# Altium PCB LIA.PcbDoc
Units mil, origin at the board's own origin, x right, y up, seen from the top; angles counter-clockwise.
Board outline 3740.16 x 2519.69 mil, 2 copper layers (Top Layer, Bottom Layer); 82 components, 87 nets, 316 pads, 125 vias.
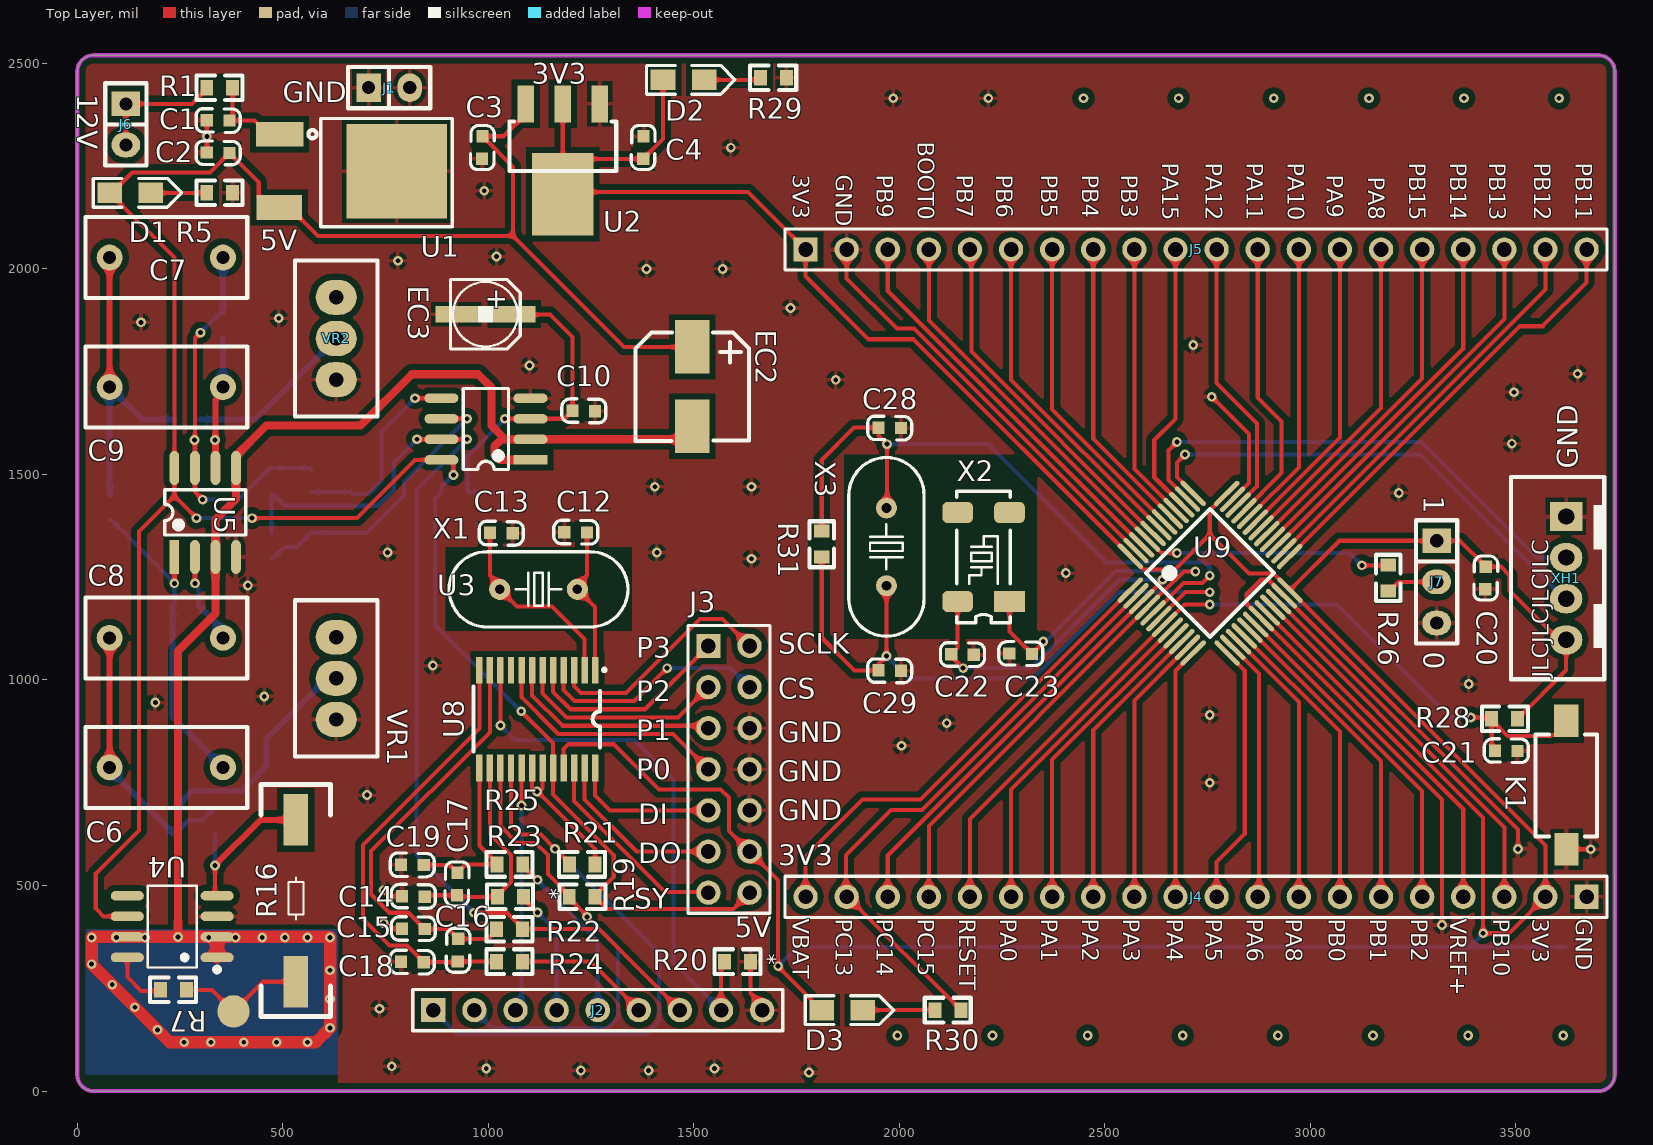
[diagram p0: Top Layer view]
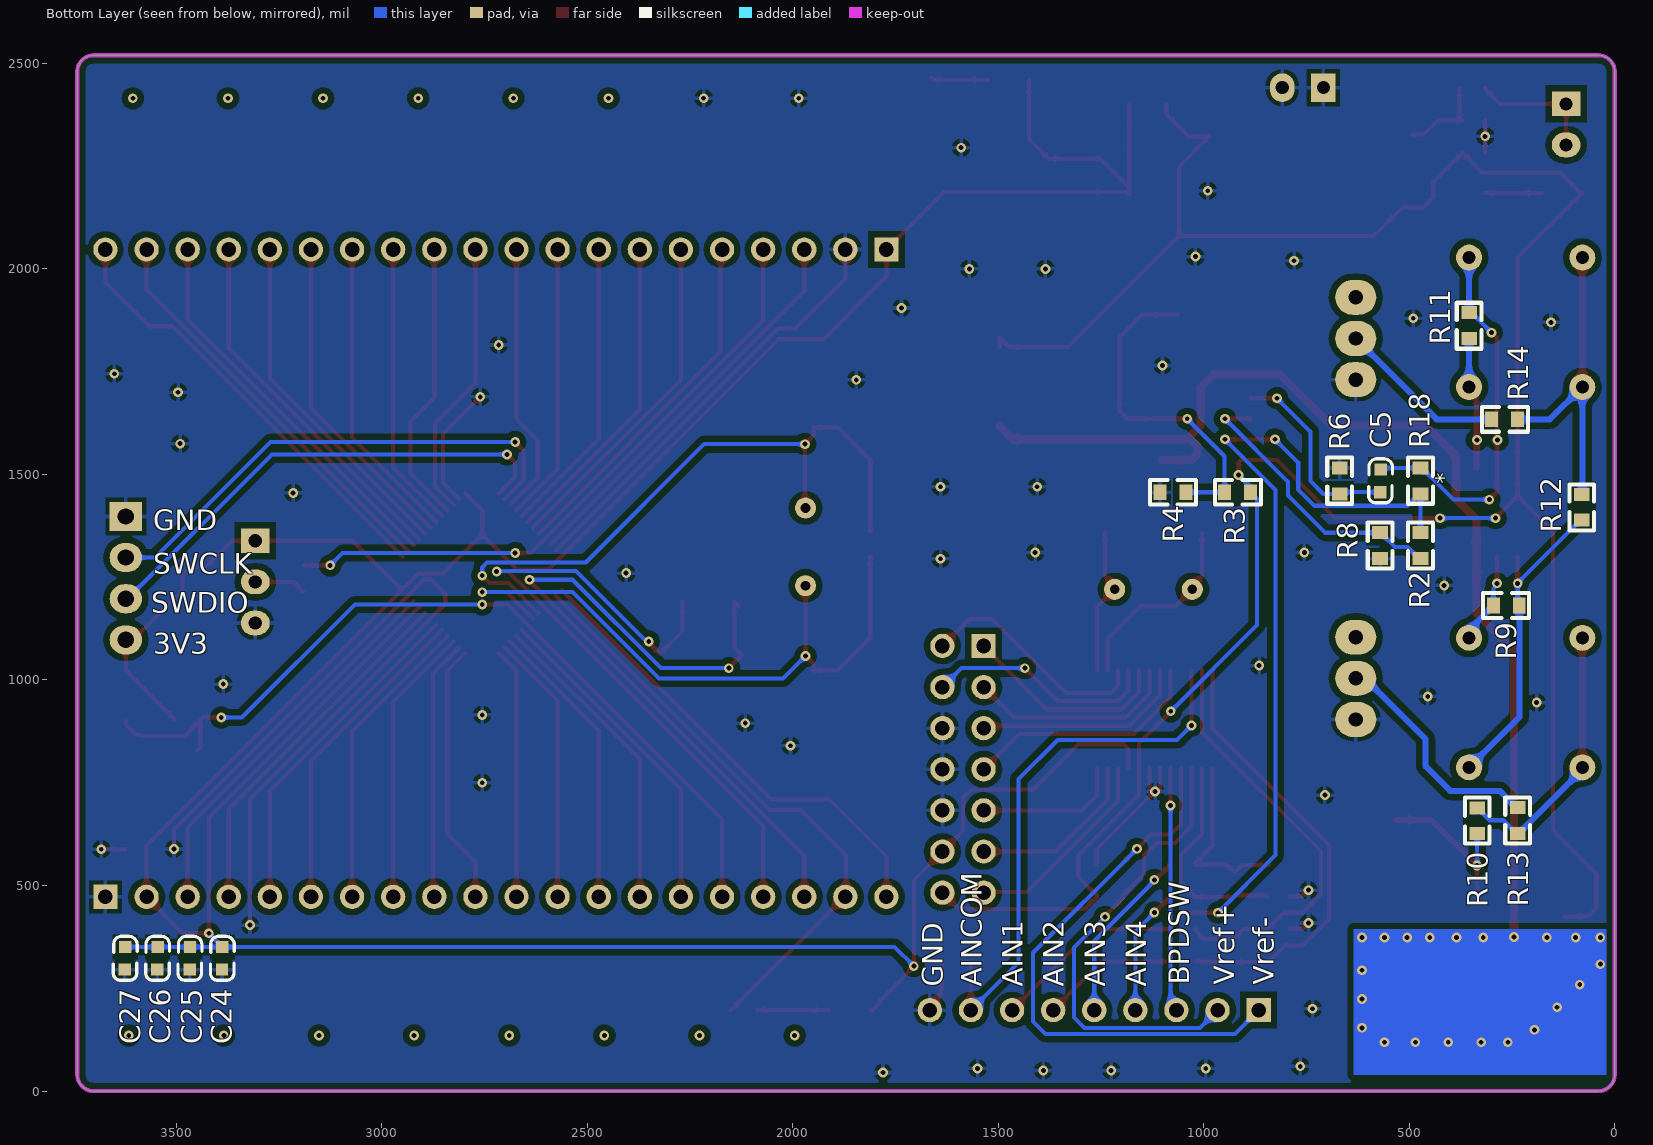
[diagram p1: Bottom Layer view, seen from below]

## Layer stack, top to bottom
Top Solder: solder mask 0.4, Solder Resist, Dk 3.5
Top Layer: signal copper 1.4
Dielectric 1: dielectric 12.6, FR-4, Dk 4.8
Bottom Layer: signal copper 1.4
Bottom Solder: solder mask 0.4, Solder Resist, Dk 3.5

## Board outline
0,39.37 0,2480.31 cw(c39.37,2480.31) 39.37,2519.69 3700.79,2519.69 cw(c3700.79,2480.31) 3740.16,2480.31 3740.16,39.37 cw(c3700.79,39.37) 3700.79,0 39.37,0 cw(c39.37,39.37)

## Design rules (kind name [scope] priority, off if disabled: settings)
Clearance [All] p1: gap=5 ignorepadtopadclearanceinfootprint=TRUE except(3.5: Arc-Arc Arc-Track Track-Track; 15: Arc-Fill Arc-Poly Arc-Region Track-Fill Track-Poly Track-Region SMDPad-Fill SMDPad-Poly SMDPad-Region THPad-Fill THPad-Poly THPad-Region Via-Fill Via-Poly Via-Region Fill-Fill Fill-Poly Fill-Region Poly-Poly Poly-Region Region-Region)
HoleSize [All] p1: absolutevalues=TRUE maxlimit=100 minlimit=11.81 maxpercent=80.000 minpercent=20.000
MinimumSolderMaskSliver [All] p1: minsoldermaskwidth=0
PolygonConnect [All] p1: connectstyle=Relief reliefconductorwidth=10 reliefentries=4 polygonreliefangle="90 Angle" airgapwidth=10
RoutingVias [All] p1: holewidth=39.37 width=78.74 viastyle="Through Hole" minholewidth=11.81 minwidth=19.68 maxholewidth=39.37 maxwidth=78.74
SilkToSilkClearance [All] p1: silktosilkclearance=0
SilkToSolderMaskClearance [IsPad] p1: minsilkscreentomaskgap=0 clearancetoexposedcopper=TRUE
SolderMaskExpansion [All] p1: expansion=4
Width [All] p1: maxlimit=30 minlimit=3.5 preferedwidth=10
26 further rules are at their usual default settings.

## Components (designator, comment, footprint, x,y, rotation, side; value= is the part's Value field where it differs from the comment)
C1 "0.33uF" 0603C 314.96,2362.2 r0 top
C2 "0.1uF" 0603C 314.96,2283.46 r0 top
C3 "10uF" 0603C 984.25,2267.47 r90 top locked
C4 "10uF" 0603C 1377.95,2322.83 r270 top locked
C5 "1uF" 0603C 570.87,1456.69 r90 bottom locked
C6 "1uF" DIP-7 354.33,787.4 r180 top locked
C7 "1uF" DIP-7 78.74,2027.56 r0 top locked
C8 "1uF" DIP-7 78.74,1102.36 r0 top locked
C9 "1uF" DIP-7 354.33,1712.6 r180 top locked
C10 "0.1uF" 0603C 1259.84,1653.54 r180 top
C12 "1uF" 0603C 1240.16,1358.27 r180 top locked
C13 "1uF" 0603C 1003.94,1358.27 r0 top
C14 "0.01uF" 0603C 845.21,472.44 r180 top locked
C15 "0.01uF" 0603C 845.21,393.7 r180 top
C16 "1uF" 0603C 925.2,314.96 r90 top locked
C17 "0.01uF" 0603C 925.2,531.5 r270 top locked
C18 "0.01uF" 0603C 787.4,314.96 r0 top
C19 "0.01uF" 0603C 787.4,551.18 r0 top
C20 "0.1uF" 0603C 3425.2,1220.47 r90 top
C21 "1uF" 0603C 3503.94,826.77 r180 top
C22 "22pF" 0603C 2125.98,1062.99 r0 top
C23 "22pF" 0603C 2322.83,1062.99 r180 top
C24 "1uF" 0603C 3388.54,295.28 r90 bottom locked
C25 "1uF" 0603C 3467.28,295.28 r90 bottom locked
C26 "1uF" 0603C 3546.02,295.28 r90 bottom locked
C27 "1uF" 0603C 3624.76,295.28 r90 bottom locked
C28 "22pF" 0603C 1948.82,1614.17 r0 top locked
C29 "22pF" 0603C 1948.82,1023.62 r0 top locked
D1 "LEDR/0805" LED-0805R 78.74,2185.04 r0 top
D2 "LEDR/0805" LED-0805R 1425,2460 r0 top
D3 "LEDY/0805" LED-0805Y 1811.02,196.85 r0 top locked
EC2 "100uF" SMD-EC6.3X6.3X10 1496.06,1811.02 r270 top
EC3 "1uF" SMD-EC4.0X4.3X5.4 1062.99,1889.76 r180 top locked
J1 "Pin HDR1X2" "Pin HDR1X2/2.54mm-S" 708.66,2440.94 r90 top locked
J2 "Pin HDR1X9" "Pin HDR1X9/2.54mm-S" 866.14,196.85 r0 top locked
J3 "Pin HDR2X7" "Pin HDR2X7/2.54mm-S" 1535.43,1082.68 r270 top
J4 "Pin HDR1X20" "Pin HDR1X20/2.54mm-S" 3671.65,472.44 r180 top locked
J5 "Pin HDR1X20" "Pin HDR1X20/2.54mm-S" 1771.65,2047.24 r0 top locked
J6 "Pin HDR1X2" "Pin HDR1X2/2.54mm-S" 118.11,2401.57 r0 top
J7 "Pin HDR1X3" "Pin HDR1X3/2.54mm-S" 3307.09,1338.58 r0 top
K1 "KEY" SMD-3X6X2.5 3622.05,590.55 r90 top
R1 "30R" 0603R 314.96,2440.94 r0 top locked
R2 "RES" 0603R 472.44,1358.27 r270 bottom locked
R3 "10K" 0603R 885.83,1456.69 r0 bottom locked
R4 "10K" 0603R 1043.31,1456.69 r0 bottom locked
R5 "510R" 0603R 314.96,2185.04 r0 top
R6 "100K" 0603R 669.29,1515.75 r270 bottom locked
R7 "1M" 0603R 202.24,246.22 r0 top locked
R8 "RES" 0603R 570.87,1358.27 r270 bottom locked
R9 "300K" 0603R 295.28,1181.1 r180 bottom
R10 "75K" 0603R 334.65,688.98 r270 bottom locked
R11 "270K" 0603R 354.33,1830.71 r90 bottom locked
R12 "68K" 0603R 80,1388.74 r90 bottom
R13 "150R" 0603R 236.22,626.98 r90 bottom locked
R14 "150R" 0603R 236.22,1633.86 r0 bottom locked
R16 "1G" LONG 531.5,265.91 r90 top locked
R18 "0R" 0603R 472.44,1515.75 r270 bottom locked
R19 "0R" 0603R 1259.84,472.44 r180 top locked
R20 "0R" 0603R 1574.8,314.96 r0 top
R21 "0R" 0603R 1197.01,551.18 r0 top locked
R22 "100R" 0603R 1082.68,393.7 r180 top locked
R23 "100R" 0603R 1022.01,472.44 r0 top locked
R24 "100R" 0603R 1082.68,314.96 r180 top locked
R25 "100R" 0603R 1020.68,551.18 r0 top locked
R26 "10K" 0603R 3188.98,1279.53 r270 top locked
R28 "10K" 0603R 3503.94,905.51 r180 top
R29 "510R" 0603R 1662.01,2465 r0 top
R30 "510R" 0603R 2086.61,196.85 r0 top locked
R31 "1M" 0603R 1811.02,1299.21 r90 top locked
U1 "LM7805" TO252 492.13,2322.83 r270 top locked
U2 "AMS1117" SOT223 1181.1,2401.57 r180 top locked
U3 "NE5532" SOP8 1102.36,1535.43 r180 top locked
U4 "LMP7721" SOIC-8 340.04,324.96 r90 top locked
U5 "NE5532" SOP8 236.22,1299.21 r90 top locked
U8 "AD7190BRUZ" TSSOP24 1259.84,1023.62 r270 top locked
U9 "STM32G431CBT6" "LQFP48 7X7" 2755.91,1259.84 r315 top locked
VR1 "100R" 3296W 629.92,1003.94 r90 top
VR2 "100R" 3296W 629.92,1830.71 r90 top
X1 "XTAL-2P" "OSC HC-49S" 1122.05,1220.47 r0 top locked
X2 "32.768K" "OSC MC-306" 2204.72,1299.21 r90 top
X3 "8M" "OSC HC-49S" 1968.5,1323.74 r90 top
XH1 "XH4" XH4/2.54mm/180 3622.05,1397.64 r270 top

## Footprints (in the part's own frame and the unit in brackets; to place one, negate y for a bottom-side part, rotate by r counter-clockwise, add the part's x,y. Pads: shape width x height; smd on the part's side, far side on the other; paste and mask are expansions set on the pad)
0603C [mil]
  rect 30x30 smd: 1(0.21,-0.35) 2(55.21,-1.35)
  silkscreen extent -26,-30 81,28, body extent -1,-15 62,17, height 12
0603R [mm]
  rect 0.8x0.965 smd: 1(0,0) 2(1.6,0)
  silkscreen extent -0.64,-0.76 2.21,0.76, body extent -0.04,-0.41 1.56,0.41, height 0.45
3296W [mil]
  oval 85x100 hole 35: 1(-100,0) 2(0,0) 3(100,0)
  silkscreen extent -190,-100 190,100, body extent -188,-94 188,94, height 455
DIP-7 [mm]
  round 1.6 hole 0.8: 1(0,0) 2(7,0)
  silkscreen extent -1.5,-2.5 8.5,2.5
LED-0805R [mil]
  rect 60x50 smd: A(0,0) K(100,0)
  silkscreen extent -40,-35 175,35, body extent 11,-24 89,25, height 32
LED-0805Y [mil]
  rect 60x50 smd: A(0,0) K(100,0)
  silkscreen extent -40,-35 175,35, body extent 11,-26 89,23, height 32
LONG [mil]
  rect 125x60 smd: 1(0,0) 2(393.7,0)
  silkscreen extent -85,-85 480,85
"LQFP48 7X7" [mm]
  oval 0.3x2.1 smd: 1(-2.75,-4.227) 2(-2.25,-4.227) 3(-1.75,-4.227) 4(-1.25,-4.227) 5(-0.75,-4.227) 6(-0.25,-4.227) 7(0.25,-4.227) 8(0.75,-4.227) 9(1.25,-4.227) 10(1.75,-4.227) 11(2.25,-4.227) 12(2.75,-4.227) 25(2.75,4.202) 26(2.25,4.202) 27(1.75,4.202) 28(1.25,4.202) 29(0.75,4.202) 30(0.25,4.202) 31(-0.25,4.202) 32(-0.75,4.202) 33(-1.25,4.202) 34(-1.75,4.202) 35(-2.25,4.202) 36(-2.75,4.202)
  oval 2.1x0.3 smd: 13(4.227,-2.75) 14(4.227,-2.25) 15(4.227,-1.75) 16(4.227,-1.25) 17(4.227,-0.75) 18(4.227,-0.25) 19(4.227,0.25) 20(4.227,0.75) 21(4.227,1.25) 22(4.227,1.75) 23(4.227,2.25) 24(4.227,2.75) 37(-4.227,2.75) 38(-4.227,2.25) 39(-4.227,1.75) 40(-4.227,1.25) 41(-4.227,0.75) 42(-4.227,0.25) 43(-4.227,-0.25) 44(-4.227,-0.75) 45(-4.227,-1.25) 46(-4.227,-1.75) 47(-4.227,-2.25) 48(-4.227,-2.75)
  silkscreen extent -2.79,-2.79 2.79,2.79, body extent -4.51,-4.5 4.5,4.5, height 1.45
"OSC HC-49S" [mm]
  round 1.3 hole 0.6: 1(-2.4,0) 2(2.4,0)
  silkscreen extent -5.52,-2.32 5.52,2.33, body extent -5.53,-2.29 5.53,2.36, height 4.13
"OSC MC-306" [mm]
  rect 1.3x1.9 smd: 1(-2.75,-1.6)
  rrect50% 1.3x1.9 smd: 2(2.75,-1.6) 3(2.75,1.6) 4(-2.75,1.6)
  silkscreen extent -4.06,-1.65 4.06,1.65, body extent -4,-1.52 4,1.74, height 2.56
"Pin HDR1X2/2.54mm-S" [mil]
  rect 70x60 hole 32: 1(0,0)
  oval 70x60 hole 32: 2(0,-100)
  silkscreen extent -50,-150 50,50, body extent -50,-150 50,50, height 336
"Pin HDR1X3/2.54mm-S" [mil]
  rect 70x60 hole 32: 1(0,0)
  oval 70x60 hole 32: 2(0,-100) 3(0,-200)
  silkscreen extent -50,-250 50,50, body extent -50,-250 50,50, height 336
"Pin HDR1X9/2.54mm-S" [mm] "Connector; Header; 9 Position"
  rect 1.5x1.5 hole 0.9: 1(0,0)
  round 1.5 hole 0.9: 2(2.54,0) 3(5.08,0) 4(7.62,0) 5(10.16,0) 6(12.7,0) 7(15.24,0) 8(17.78,0) 9(20.32,0)
  silkscreen extent -1.27,-1.27 21.59,1.27, body extent -1.27,-1.27 21.59,1.27, height 7.58
"Pin HDR1X20/2.54mm-S" [mm]
  rect 1.5x1.5 hole 0.9: 1(0,0)
  round 1.5 hole 0.9: 2(2.54,0) 3(5.08,0) 4(7.62,0) 5(10.16,0) 6(12.7,0) 7(15.24,0) 8(17.78,0) 9(20.32,0) 10(22.86,0) 11(25.4,0) 12(27.94,0) 13(30.48,0) 14(33.02,0) 15(35.56,0) 16(38.1,0) 17(40.64,0) 18(43.18,0) 19(45.72,0) 20(48.26,0)
  silkscreen extent -1.27,-1.27 49.53,1.27, body extent -1.27,-1.27 49.53,1.27, height 7.58
"Pin HDR2X7/2.54mm-S" [mm] "Connector; Header; 7x2 Position"
  rect 1.5x1.5 hole 0.9: 1(0,0)
  round 1.5 hole 0.9: 2(0,2.54) 3(2.54,0) 4(2.54,2.54) 5(5.08,0) 6(5.08,2.54) 7(7.62,0) 8(7.62,2.54) 9(10.16,0) 10(10.16,2.54) 11(12.7,0) 12(12.7,2.54) 13(15.24,0) 14(15.24,2.54)
  silkscreen extent -1.27,-1.27 16.51,3.81, body extent -1.27,-1.27 16.51,3.81, height 7.58
SMD-3X6X2.5 [mm]
  rect 2x1.5 smd: 1(-0.059,-0.02) 3(7.874,0)
  silkscreen extent 0.73,-1.9 7.03,1.9, body extent -0.19,-1.78 7.81,1.72, height 2.59
SMD-EC4.0X4.3X5.4 [mm]
  rect 2.6x1 smd: 1(0,0) 2(3.579,0)
  silkscreen extent -0.36,-2.15 3.94,2.15, body extent -0.52,-2.15 4.08,2.15, height 5.4
SMD-EC6.3X6.3X10 [mm]
  rect 3.3x2.132 smd: 1(0.021,0) 2(4.921,0)
  silkscreen extent -0.88,-3.5 5.84,3.5, body extent -1.09,-3.3 5.91,3.3, height 5.4
SOIC-8 [mm]
  oval 0.588x2.045 smd: 1(0,0) 2(1.27,0) 3(2.54,0) 4(3.81,0) 5(3.81,5.545) 6(2.54,5.545) 7(1.27,5.545) 8(0,5.545)
  silkscreen extent -0.9,-0.15 4.43,4.29
SOP8 [mm]
  rect 2.1x0.6 smd: 1(0,0)
  oval 2.1x0.6 smd: 2(0,-1.27) 3(0,-2.54) 4(0,-3.81) 5(5.5,-3.81) 6(5.5,-2.54) 7(5.5,-1.27) 8(5.5,0)
  silkscreen extent 1.35,-4.41 4.15,0.6, body extent -0.36,-4.37 5.64,0.63, height 1.9
SOT223 [mil]
  rect 40x90 smd: 1(-90,0) 2(0,0) 3(90,0)
  rect 150x200 smd: 2(0,220)
  silkscreen extent -130,43 130,163, body extent -130,-30 126,246, height 65
TO252 [mil] "252晶体管"
  rect 60x115 smd: 1(-4.55,0.23)
  rect 230x245 smd: 2(85,285.35)
  rect 60x110 smd: 3(173.45,-0.77)
  silkscreen extent -43,70 220,420, body extent -41,5 215,375, height 91
TSSOP24 [mm]
  rect 1.65x0.4 smd: 1(0,0) 2(0,-0.65) 3(0,-1.3) 4(0,-1.95) 5(0,-2.6) 6(0,-3.25) 7(0,-3.9) 8(0,-4.55) 9(0,-5.2) 10(0,-5.85) 11(0,-6.5) 12(0,-7.15) 13(6.045,-7.15) 14(6.045,-6.5) 15(6.045,-5.85) 16(6.045,-5.2) 17(6.045,-4.55) 18(6.045,-3.9) 19(6.045,-3.25) 20(6.045,-2.6) 21(6.045,-1.95) 22(6.045,-1.3) 23(6.045,-0.65) 24(6.045,0)
  silkscreen extent -0.13,-7.51 5.03,0.67
XH4/2.54mm/180 [mm]
  rect 1.8x2 hole 1: 1(0,0)
  oval 1.8x2 hole 1: 2(2.54,0) 3(5.08,0) 4(7.62,0)
  silkscreen extent -2.45,-3.4 10.07,2.35, body extent -2.39,-3.3 10.01,2.45, height 7

## Part data
C1 C2 C3 C4 C5 C6 C7 C8 C9 C10 C12 C13 C14 C15 C16 C17 C18 C19 C20 C21 C22 C23 C24 C25 C26 C27 C28 C29: library part CAP, "无极性电容"
D1 D2 D3: library part LED
EC2 EC3: library part SMD_ECAP, "贴片电解电容"
R1 R3 R4 R5 R6 R7 R9 R10 R11 R12 R13 R14 R16 R18 R19 R20 R21 R22 R23 R24 R25 R26 R28 R29 R30 R31: library part RES
U2: "三端稳压芯片"
U8: BOM_JLCPCB Part Class="Extended Part", BOM_Manufacturer="Analog Devices", BOM_Manufacturer Part=AD7190BRUZ, BOM_Supplier=LCSC, BOM_Supplier Part=C578396, Contributor=LCSC, spicePre=U, spiceSymbolName=AD7190BRUZ
VR1 VR2: library part RESVR
X1: "2脚无源脚晶振"
X2: library part XTAL-MC-4P, "MC系列4脚晶振"
X3: library part XTAL-2P, "2脚无源脚晶振"

## Free pads (board coordinates)
  round 78.74 smd: 2(380,193.74)

## Via types
v1: diameter 23.62, hole 11.81, Top Layer to Bottom Layer, 125 vias

## Nets (pads, with @x,y where several pads share a name; then routed paths per layer and width w, separated by ;. In a path a pad name is that pad's centre, name@x,y a point inside that pad or via, vN(x,y) a via of type N, cw(c..) or ccw(c..) an arc to the next point about the centre after c; other vN are vias at no path point)
AIN1: J2.7 R2.1 R18.2 R22.1 U3.7 | length 2550.5
  Top Layer w10: v1(826.69,1585.43) U3.7 U3.7@905.51,1585.43 ; U3.7@904.67,1584.59 U3.7@905.51,1585.43 ; v1(948.31,1585.43) U3.7@905.51,1585.43 ; v1(965,433.74) 1045.89,433.74 1082.68,396.95 R22.1 1269.29,393.7 J2.7
  Bottom Layer w10: R2.1 R18.2 475.69,1452.76 504.7,1423.74 730,1423.74 770,1463.74 770,1528.74 v1(826.69,1585.43) ; v1(948.31,1585.43) 825,1462.13 825,573.74 v1(965,433.74)
AIN2: J2.6 R24.1 | length 332.4
  Top Layer w10: R24.1 1248.03,314.96 J2.6
AIN3: J2.5 R25.2 | length 431.2
  Top Layer w10: R25.2 1083.67,547.93 1117.86,513.74 v1(1120,513.74)
  Bottom Layer w10: v1(1120,513.74) 1120,511.6 1266.14,365.46 J2.5
AIN4: J2.4 R23.2 | length 309.2
  Top Layer w10: R23.2 1085,469.19 v1(1120,434.19)
  Bottom Layer w10: v1(1120,434.19) 1166.14,388.05 J2.4
AINCOM: J2.8 R20.1 U8.10 | length 1340.6
  Top Layer w10: v1(1029.53,889.21) U8.10 ; J2.8 1566.14,306.3 R20.1
  Bottom Layer w10: v1(1029.53,889.21) 1065,853.74 1355,853.74 1450,758.74 1450,312.99 J2.8
BOOT0: J5.4 R26.1 U9.45 | length 1537.2
  Top Layer w10: J5.4 2071.65,1874.5 U9.45 2637.41,1308.74 v1(2675,1308.74) ; v1(3125,1278.74) 3188.19,1278.74 R26.1
  Bottom Layer w10: v1(2675,1308.74) 3095,1308.74 v1(3125,1278.74)
BPDSW: J2.3 U8.17 | length 594.8
  Top Layer w10: v1(1080.71,694.45) U8.17
  Bottom Layer w10: J2.3 1080.71,211.42 v1(1080.71,694.45)
BPL_OUT: C5.2 C7.2 R11.2 R18.1 U5.7 | length 926.1
  Top Layer w10: v1(300,1845) 286.22,1831.22 U5.7 286.22,1457.52 v1(305,1438.74)
  Bottom Layer w10: v1(300,1845) 348.7,1893.7 R11.2 ; v1(305,1438.74) 392.18,1438.74 469.19,1515.75 R18.1 565.67,1515.75 C5.2
  Bottom Layer w15: R11.2 C7.2
  other v1: 285,1583.74
CS: J3.4 U8.4 | length 563.7
  Top Layer w10: U8.4 1183.07,975.67 1210,948.74 1355,948.74 v1(1435,1028.74)
  Bottom Layer w10: v1(1435,1028.74) 1589.37,1028.74 J3.4
DIN: J3.9 U8.24 | length 357.3
  Top Layer w10: U8.24 1259.84,718.9 1296.06,682.68 J3.9
DOUT: J3.11 U8.23 | length 429.8
  Top Layer w10: U8.23 1234.25,709.49 1361.06,582.68 J3.11
GND: C1.1 C2.1 C3.1 C4.1 C10.1 C12.2 C13.2 C14.2 C15.2 C18.1 C19.1 C20.1 C21.1 C22.2 C23.2 C24.1 C25.1 C26.1 C27.1 C28.2 C29.2 EC3.2 J1.1 J1.2 J2.9 J3.6 J3.8 J3.10 J4.1 J5.2 J7.3 K1.1 R4.2 R5.2 R6.1 R8.2 R20.2 R21.2 R29.2 U1.2 U2.1 U3.4 U4.3 U5.4 U8.18 U8.19 U9.19 U9.23 U9.35 U9.47 VR1.1 VR2.1 XH1.1 | length 4063.3
  Top Layer w10: C2.1 C1.1 ; v1(745,408.74) 758.69,395.06 C15.2 ; v1(745,488.74) 759.94,473.8 C14.2 ; U8.18 1106.3,734.6 1112.16,728.74 v1(1118.15,728.74) v1@1119.53,728.74 ; U8.19 1131.89,736.49 1124.14,728.74 v1@1119.53,728.74 ; R21.2 1260,588.27 v1@1119.53,728.74 ; R20.2 1637.8,238.47 1666.14,210.12 J2.9 ; J5.2 1871.65,1977.09 1994.07,1854.67 2035.93,1854.67 2575.59,1315 U9.47 ; v1(2760,1688.74) 2850,1598.74 2850,1479.36 2810.24,1439.59 U9.35 ; v1(3320,403.74) 3320,709.67 U9.19 2845,1184.67 2845,1208.74 2880,1243.74 2897.28,1243.74 U9.23 3505,636.02 v1(3505,588.74) ; K1.1 v1(3681.82,588.24)
  other v1: 1780,45 1225,50 1390,50 995,55 1550,55 765,60 735,200 705,720 2755,750 2005,840 2115,895 2755,915 190,945 455,960 3385,990 865,1035 415,1230 2405,1260 1640,1295 755,1310 1410,1310 3215,1455 1405,1470 1640,1470 3490,1575 3495,1700 1845,1730 3650,1745 1100,1765 2715,1815 155,1870 490,1880 1735,1905 1385,2000 1570,2000 780,2020 1020,2030 990,2190 1590,2295 315.17,2322.48 1985,2415 2216.43,2415
IIN: pad.2 R7.2 R16.1 | length 317.9
  Top Layer w10: R7.2 327.52,246.22 pad.2 452.17,265.91 R16.1
MCUVREF+: J4.4 U9.20 | length 888.3
  Top Layer w10: U9.20 3371.65,685.85 J4.4
NetC1_2: C1.2 R1.2 U1.1 | length 219.4
  Top Layer w10: R1.2 377.95,2368.63 C1.2 431.39,2360.85 464.85,2327.39 U1.1
NetC5_1: C5.1 R6.2 U3.5 | length 481.3
  Top Layer w10: v1(821.69,1685.43) U3.5
  Bottom Layer w10: C5.1 665.14,1456.91 R6.2 709.02,1452.76 740,1483.74 740,1603.74 v1@820,1683.74
NetC6_1: C6.1 R9.2 R12.1 U5.1 | length 784.6
  Top Layer w10: v1(236.22,1234.96) U5.1
  Bottom Layer w10: R12.1 83.25,1388.74 236.22,1235.77 v1(236.22,1234.96) 236.22,1185.04 R9.2 R9.2@232.01,1180.83
  Bottom Layer w15: R9.2@232.01,1180.83 232.01,909.72 C6.1
NetC6_2: C6.2 C8.1 R10.1 R13.1 | length 660.4
  Top Layer w15: C6.2 78.74,866.14 C8.1
  Bottom Layer w10: R13.1@239.47,626.98 271.23,658.74 304.41,658.74 R10.1
  Bottom Layer w15: C6.2@78.74,781.21 232.97,626.98 R13.1 R13.1@239.47,626.98
NetC7_1: C7.1 C9.2 R12.2 R14.1 | length 766.4
  Top Layer w15: C9.2 C7.1
  Bottom Layer w15: R12.2 78.74,1452.99 C9.2 157.48,1633.86 R14.1
NetC8_2: C8.2 R9.1 U5.2 | length 225.1
  Top Layer w10: v1(286.22,1234.96) U5.2
  Bottom Layer w10: v1(286.22,1234.96) 286.22,1231.27 295.28,1222.22 R9.1
  Bottom Layer w15: R9.1 354.33,1122.05 C8.2
NetC9_1: C9.1 R11.1 U5.6 | length 322.5
  Top Layer w15: U5.6 336.22,1680.15 354.33,1698.26 C9.1
  Bottom Layer w15: C9.1 R11.1
  other v1: 335,1583.74
NetC10_2: C10.2 EC3.1 R3.2 R4.1 U3.3 | length 827.6
  Top Layer w10: v1(1040,1635.43) U3.3 1185.17,1635.43 C10.2 1204.63,1834.11 1150,1888.74 1064.02,1888.74 EC3.1
  Bottom Layer w10: v1(1040,1635.43) 948.82,1544.25 R3.2 R4.1
NetC12_1: C12.1 U8.1 X1.2 | length 362.6
  Top Layer w10: C12.1 1239.94,1254.47 1216.54,1231.06 X1.2 1259.84,1177.17 U8.1
NetC13_1: C13.1 U8.2 X1.1 | length 479.8
  Top Layer w10: C13.1 1004.15,1254.47 1027.56,1231.06 X1.1 1069.29,1178.74 1155,1178.74 1234.25,1099.49 U8.2
NetC14_1: C14.1 C17.2 R23.1 U8.14 | length 528
  Top Layer w10: C14.1 848.49,476.28 C17.2 927.69,472.44 R23.1 1022.01,475.69 1055,508.68 1055,573.74 1003.94,624.8 U8.14
NetC15_1: C15.1 C16.2 R22.2 U8.11 | length 1025.9
  Top Layer w10: U8.11 1003.94,872.68 715,583.74 715,478.74 760,433.74 805.31,433.74 C15.1 902.67,394.06 C16.2 999.41,370.17 1019.69,390.45 R22.2
NetC16_1: C16.1 C18.2 R24.2 U8.12 | length 1091.2
  Top Layer w10: U8.12 978.35,882.09 695,598.74 695,418.74 760,353.74 802.48,353.74 C18.2 923.98,313.61 C16.1 1019.47,315.17 R24.2
NetC17_1: C17.1 C19.2 R25.1 U8.13 | length 446
  Top Layer w10: C19.2 906.3,549.83 C17.1 944.74,551.18 R25.1 1020.68,554.43 978.35,596.75 U8.13
NetD1_K: D1.K R5.1 | length 136.2
  Top Layer w10: D1.K R5.1
NetD2_K: D2.K R29.1 | length 139.1
  Top Layer w10: D2.K 1657.01,2460 R29.1
NetD3_K: D3.K R30.1 | length 175.6
  Top Layer w10: D3.K R30.1
NetJ7_2: J7.2 R26.2 | length 127.2
  Top Layer w10: R26.2 3192.22,1216.54 3214.27,1238.58 J7.2
NetR2_2: R2.2 R8.1 U3.6 | length 699.9
  Top Layer w10: U3.6 v1(948.31,1635.43)
  Bottom Layer w10: R2.2 475.69,1295.28 504.15,1323.74 534.9,1323.74 556.87,1345.71 556.87,1347.52 567.62,1358.27 R8.1 704.53,1358.27 795,1448.74 795,1482.13 v1(948.31,1635.43)
NetR7_1: R7.1 U4.8 | length 143.3
  Top Layer w10: U4.8 121.73,277.01 155,243.74 199.76,243.74 R7.1
NetR13_2: R13.2 VR1.2 | length 571.8
  Bottom Layer w15: R13.2 239.47,689.97 279.5,730 400,730 460,790 460,856.26 618.8,1015.06 VR1.2
NetR14_2: R14.2 VR2.2 | length 412.2
  Bottom Layer w15: R14.2 433.07,1633.86 VR2.2
OSC_IN: C28.1 R31.2 U9.5 X3.2 | length 1652.7
  Top Layer w10: R31.2 1811.02,1534.76 1890.08,1613.82 C28.1 1949.03,1594.71 v1(1970,1573.74) 1970,1419.72 X3.2 ; U9.5 2618.97,1163.05 2691.48,1235.55 2736.81,1235.55 v1(2755,1253.74)
  Bottom Layer w10: v1(1970,1573.74) 2215,1573.74 2503.19,1285.55 2743.19,1285.55 2755,1273.74 v1(2755,1253.74)
OSC_OUT: C29.1 R31.1 U9.6 X3.1 | length 1628
  Top Layer w10: R31.1 1811.02,1102.72 1890.47,1023.27 C29.1 1949.03,1038.64 v1(1968.5,1058.11) X3.1 ; U9.6 2695.88,1213.74 v1(2755,1213.74)
  Bottom Layer w10: v1(1968.5,1058.11) 2022.87,1003.74 2325,1003.74 2535,1213.74 v1(2755,1213.74)
P0: J3.7 U8.8 | length 592.9
  Top Layer w10: U8.8 1080.71,958.03 1170,868.74 1449.37,868.74 J3.7
P1: J3.5 U8.7 | length 523.4
  Top Layer w10: U8.7 1106.3,962.44 1180,888.74 1529.37,888.74 J3.5
P2: J3.3 U8.6 | length 515
  Top Layer w10: U8.6 1131.89,966.85 1190,908.74 1461.5,908.74 J3.3
P3: J3.1 U8.5 | length 511.7
  Top Layer w10: U8.5 1157.48,971.26 1200,928.74 1381.5,928.74 J3.1
PA0: J4.15 U9.8 | length 809.3
  Top Layer w10: J4.15 2271.65,733.83 U9.8
PA1: J4.14 U9.9 | length 759.8
  Top Layer w10: J4.14 2371.65,805.99 U9.9
PA2: J4.13 U9.10 | length 710.2
  Top Layer w10: J4.13 2471.65,878.15 U9.10
PA3: J4.12 U9.11 | length 660.6
  Top Layer w10: J4.12 2571.65,950.32 U9.11
PA4: J4.11 U9.12 | length 611
  Top Layer w10: J4.11 2671.65,1022.48 U9.12
PA5: J4.10 U9.13 | length 639.3
  Top Layer w10: J4.10 2771.65,557.24 2840,625.59 2840,1022.63 U9.13
PA6: J4.9 U9.14 | length 635
  Top Layer w10: U9.14 2875,1015.47 2875,475.79 J4.9
PA7: J4.8 U9.15 | length 681.8
  Top Layer w10: U9.15 2971.65,946.66 J4.8
PA8: J5.15 U9.30 | length 798.3
  Top Layer w10: U9.30 3171.65,1661.67 J5.15
PA9: J5.14 U9.31 | length 748.7
  Top Layer w10: U9.31 3071.65,1589.51 J5.14
PA10: J5.13 U9.32 | length 699.1
  Top Layer w10: U9.32 2971.65,1517.35 J5.13
PA11: J5.12 U9.33 | length 697.9
  Top Layer w10: U9.33 2930,1503.53 2930,1628.74 2871.65,1687.09 J5.12
PA12: J5.11 U9.34 | length 681.4
  Top Layer w10: J5.11 2771.65,1722.09 2870,1623.74 2870,1471.37 U9.34
PA15: J5.10 U9.39 | length 670.1
  Top Layer w10: J5.10 2671.65,1635.39 2620,1583.74 2620,1493.18 U9.39
PB0: J4.7 U9.16 | length 731.4
  Top Layer w10: U9.16 3071.65,874.5 J4.7
PB1: J4.6 U9.17 | length 781
  Top Layer w10: U9.17 3171.65,802.34 J4.6
PB2: J4.5 U9.18 | length 830.5
  Top Layer w10: U9.18 3271.65,730.18 J4.5
PB3: J5.9 U9.40 | length 676.9
  Top Layer w10: J5.9 2571.65,1513.69 U9.40
PB4: J5.8 U9.41 | length 726.5
  Top Layer w10: J5.8 2471.65,1585.85 U9.41
PB5: J5.7 U9.42 | length 776.1
  Top Layer w10: J5.7 2371.65,1658.01 U9.42
PB6: J5.6 U9.43 | length 825.6
  Top Layer w10: J5.6 2271.65,1730.18 U9.43
PB7: J5.5 U9.44 | length 875.2
  Top Layer w10: J5.5 2175,2043.9 2175,1798.99 U9.44
PB9: J5.3 U9.46 | length 974.4
  Top Layer w10: J5.3 1971.65,1946.66 U9.46
PB10: J4.3 U9.22 | length 946
  Top Layer w10: U9.22 3471.65,641.53 J4.3
PB11: J5.20 U9.25 | length 1078.5
  Top Layer w10: U9.25 3509.77,1860.59 3565,1860.59 3671.65,1967.24 J5.20
PB12: J5.19 U9.26 | length 996.6
  Top Layer w10: U9.26 3571.65,1950.32 J5.19
PB13: J5.18 U9.27 | length 947
  Top Layer w10: U9.27 3471.65,1878.15 J5.18
PB14: J5.17 U9.28 | length 897.4
  Top Layer w10: U9.28 3371.65,1805.99 J5.17
PB15: J5.16 U9.29 | length 847.8
  Top Layer w10: U9.29 3271.65,1733.83 J5.16
PC13: J4.19 R30.2 U9.2 | length 1461.1
  Top Layer w10: R30.2 1874.02,472.44 J4.19 1870,474.09 1870,573.74 1980,683.74 2054.53,683.74 U9.2
PC14: C22.1 J4.18 U9.3 X2.4 | length 1816.1
  Top Layer w10: J4.18 1971.65,573.03 U9.3 2640,1241.37 v1(2640,1243.74) ; C22.1 2123.65,1060.09 v1(2155,1028.74) ; C22.1@2130,1066.44 2141.73,1078.17 X2.4 X2.4@2130,1179.21
  Bottom Layer w10: v1(2155,1028.74) 2320,1028.74 2535,1243.74 v1(2640,1243.74)
PC15: C23.1 J4.17 U9.4 X2.1 | length 1712.5
  Top Layer w10: J4.17 2071.65,645.19 U9.4 2603.43,1177.17 2644.69,1218.43 2646.57,1218.43 2691.88,1263.74 v1(2720,1263.74) ; X2.1 2267.72,1118.25 C23.1 2350,1090.72 v1(2350,1093.74)
  Bottom Layer w10: v1(2350,1093.74) 2355,1093.74 2526.81,1265.55 2720,1265.55 v1(2720,1263.74)
RESET: C21.2 J4.16 K1.3 R28.2 U9.7 | length 2086.8
  Top Layer w10: J4.16 2171.65,661.67 U9.7 2693.72,1183.74 v1(2755,1183.74) ; v1(3390,908.74) 3434.47,908.74 R28.2@3440.94,902.26 ; C21.2 3440.94,835.91 R28.2@3440.94,902.26 ; K1.3 3622.05,890.71 3597.52,866.18 3587.68,866.18 3585.24,863.74 3479.47,863.74 R28.2@3440.94,902.26
  Bottom Layer w10: v1(2755,1183.74) 3065,1183.74 3340,908.74 v1(3390,908.74)
RGND: EC2.2 U3.1 U3.2 U4.1 U4.2 U4.7 U5.3 U5.5 | length 4282.2
  Top Layer w20: v1(245,374.96) 245,1070.27 336.22,1161.49 U5.3 336.22,1389.96 386.22,1439.96 U5.5 386.22,1545.28 459.69,1618.74 688.74,1618.74 813.74,1743.74 975,1743.74 1007.5,1711.24 1007.5,1618.79 1036.28,1590.02 ; U3.1 1028.31,1535.43 1015,1548.74 1015,1568.74 1031.69,1585.43 U3.2 1464.22,1585.43 EC2.2
  Top Layer w30: U4.1 U4.2 ; U4.2 613.78,374.96 v1(615,373.74) v1(615,293.74) v1(615,223.74) v1(615,153.74) 580,118.74 v1(560,118.74) v1(485,118.74) v1(405,118.74) v1(325,118.74) v1(260,118.74) 225,118.74 v1(195,148.74) v1(140,203.74) v1(85,258.74) v1(35,308.74) v1(35,373.74) 36.22,374.96 v1(245,374.96) U4.2
  other v1: 95,373.74 165,373.74 320,373.74 385,373.74 450,373.74 505,373.74 560,373.74
SCLK: J3.2 U8.3 | length 574
  Top Layer w10: U8.3 1208.66,985.08 1225,968.74 1335,968.74 1515,1148.74 1569.37,1148.74 J3.2
SWCLK: U9.38 XH1.2 | length 1219.4
  Top Layer w10: v1(2675,1578.74) 2655,1558.74 2655,1486.02 U9.38
  Bottom Layer w10: v1@2685,1578.74 3270,1578.74 3551.1,1297.64 3554.07,1297.64 XH1.2
SWDIO: U9.37 XH1.3 | length 1191.9
  Top Layer w10: v1(2695,1548.74) 2675,1528.74 2675,1493.86 U9.37
  Bottom Layer w10: v1(2695,1548.74) 3267.01,1548.74 3618.11,1197.64 XH1.3
SYNC: J3.13 U8.22 | length 499.4
  Top Layer w10: U8.22 1208.66,705.08 1430,483.74 1534.37,483.74 J3.13
VBAT: J4.20 U9.1 | length 1156.5
  Top Layer w10: J4.20 1771.65,570.39 1910,708.74 2051.69,708.74 U9.1
VCC3V3: C4.2 C20.2 C24.2 C25.2 C26.2 C27.2 D2.A D3.A J3.12 J4.2 J5.1 J7.1 R28.1 U2.2 U8.21 U9.21 U9.24 U9.36 U9.48 XH1.4 | length 9441.1
  Top Layer w10: U2.2@1181.1,2401.57 U2.2@1181.1,2197.62 ; U8.21 1183.07,831.81 1195,843.74 1305,843.74 1415,733.74 1565,733.74 1585,713.74 1585,633.11 J3.12 1705,513.11 v1(1705,303.74) 1705,302.87 1786.02,221.85 1786.02,216.85 1806.02,196.85 D3.A ; D2.A 1425,2316.02 C4.2 1251.1,2267.62 U2.2@1181.1,2197.62 ; U9.36 2755,1412.05 2755,1353.74 ; U9.21 3420,665.35 v1(3420,383.74) ; v1@3420,383.31 v1(3420,383.74) ; R28.1 3622.05,1023.62 XH1.4 3604.6,1097.64 3484.25,1217.99 3484.25,1254.49 3463.06,1275.69 C20.2 3363.65,1338.58 J7.1 3070.31,1338.58 3070.15,1338.74 U9.24 ; U2.2@1181.1,2197.62 1181.1,2181.57 1186.48,2186.95 1631.95,2186.95 J5.1 1771.65,1982.09 1925,1828.74 2033.89,1828.74 U9.48 2593.89,1268.74 2670,1268.74 2755,1353.74 ; 2755,1353.74 2850,1258.74 2910.12,1258.74 U9.24 ; U9.24 3571.65,597.21 J4.2 3482.95,383.74 v1(3420,383.74)
  Bottom Layer w10: v1(1705,303.74) 1751.75,350.49 C24.2 ; v1(3420,383.74) 3420,383.3 C24.2 ; C27.2 C26.2 C25.2 C24.2
VCC5V: C2.2 C3.2 D1.A EC2.1 J3.14 R3.1 R19.1 U1.3 U2.3 U3.8 U4.6 U5.8 U8.20 | length 6544.4
  Top Layer w10: U4.6 63.78,424.96 45,443.74 45,528.74 150,633.74 150,1361.3 236.22,1447.52 ; v1(290,1393.74) 236.22,1447.52 ; v1(425,1393.74) 680,1393.74 821.69,1535.43 U3.8 908.71,1535.43 915,1529.14 v1(915,1498.74) ; v1(1080,923.74) 1157.48,846.26 U8.20 1157.48,721.26 1305,573.74 1305,520.85 1259.84,475.69 R19.1 1289.13,443.15 1595.91,443.15 J3.14 ; U2.3 1091.1,2376.57 1037.21,2322.69 C3.2 1060,2248.29 1060,2080 ; EC2.1 1496.08,1833.2 1472.88,1810 1330,1810 1060,2080 ; 236.22,1447.52 U5.8 236.22,2027.56 D1.A 83.74,2185.04 133.7,2235 323.06,2235 C2.2 441.35,2210.93 441.35,2174.39 466.35,2149.39 U1.3 516.35,2149.39 585.74,2080 1060,2080
  Bottom Layer w10: v1(290,1393.74) v1(425,1393.74) ; v1(915,1498.74) 885.83,1469.57 R3.1 870,1440.87 870,1133.74 v1(1080,923.74)
VCC12V: J6.1 J6.2 R1.1 | length 315.1
  Top Layer w10: J6.2 J6.1 278.84,2401.57 314.96,2437.7 R1.1
VIN: R10.2 R16.2 U4.4 | length 395.7
  Top Layer w10: v1(335,548.74) 335,480 U4.4
  Top Layer w15: v1(335,548.74) 445.87,659.61 R16.2
  Bottom Layer w10: R10.2 334.65,549.09 v1(335,548.74)
Vref+: J2.2 R19.2 U8.15 | length 1128.6
  Top Layer w10: U8.15 1029.53,644.21 1070,603.74 1115,603.74 1145,573.74 1145,527.54 1196.85,475.69 R19.2 1196.85,469.19 1240,426.04 v1(1240,423.74)
  Bottom Layer w10: J2.2 1009.25,153.74 1290,153.74 1315,178.74 1315,348.74 v1(1240,423.74)
Vref-: J2.1 R21.1 U8.16 | length 1431.4
  Top Layer w10: U8.16 1055.12,648.86 1080.24,623.74 1127.7,623.74 v1(1162.35,589.08) 1197.01,554.43 R21.1
  Bottom Layer w10: J2.1 924.25,138.74 1385,138.74 1415,168.74 1415,336.44 v1(1162.35,589.08)
pads on no net: U4.5 U8.9 VR1.3 VR2.3 X2.2 X2.3
copper on no net:
  other v1: 1995,135 2226.43,135 2457.86,135 2689.29,135 2920.71,135 3152.14,135 3383.57,135 3615,135 2447.86,2415 2679.29,2415 2910.71,2415 3142.14,2415 3373.57,2415 3605,2415

## Polygon pours and split planes (outlines as drawn)
GND on Top Layer "Top Layer-No Net" (solid, pour order 6): 0,39.37 0,2480.31 cw(c39.37,2480.31) 39.37,2519.69 3700.79,2519.69 cw(c3700.79,2480.31) 3740.16,2480.31 3740.16,39.37 cw(c3700.79,39.37) 3700.79,0 39.37,0 cw(c39.37,39.37)
GND on Bottom Layer "Top Layer-No Net1" (solid, pour order 7): 0,39.37 0,2480.31 cw(c39.37,2480.31) 39.37,2519.69 3700.79,2519.69 cw(c3700.79,2480.31) 3740.16,2480.31 3740.16,39.37 cw(c3700.79,39.37) 3700.79,0 39.37,0 cw(c39.37,39.37)

## Keep-outs
Keep-Out Layer:
  the board outline again, w10

## Other copper
Top Layer:
  region: 5,393.74
  region: 5,393.74
  pour cut-out: 895,1323.74 1350,1323.74 1350,1118.74 895,1118.74
  pour cut-out: 1865,1548.74 1865,1098.74 2335,1098.74 2335,1548.74
Bottom Layer:
  region net RGND: 20,393.74 20,39.37 635,39.37 635,393.74
Multi-Layer:
  pour cut-out: 5,393.74 635,393.74 635,5 5,5

## Silkscreen, mask and mechanical layers (free items; w line width, h text height)
Top Overlay:
  text "3V3" at 1105,2450 h50
  text "12V" at 0,2425 h50 r270
  text "GND" at 500,2405 h50
  text "BOOT0" at 2045,2308.74 h40 r270
  text "PA15" at 2640,2258.74 h40 r270
  text "PA12" at 2745,2258.74 h40 r270
  text "PA11" at 2845,2258.74 h40 r270
  text "PA10" at 2945,2258.74 h40 r270
  text "PB15" at 3240,2258.74 h40 r270
  text "PB14" at 3340,2258.74 h40 r270
  text "PB13" at 3435,2258.74 h40 r270
  text "PB12" at 3545,2258.74 h40 r270
  text "PB11" at 3645,2258.74 h40 r270
  text "3V3" at 1740,2228.74 h40 r270
  text "GND" at 1845,2228.74 h40 r270
  text "PB9" at 1945,2228.74 h40 r270
  text "PB7" at 2140,2228.74 h40 r270
  text "PB6" at 2235,2228.74 h40 r270
  text "PB5" at 2345,2228.74 h40 r270
  text "PB4" at 2445,2228.74 h40 r270
  text "PB3" at 2540,2228.74 h40 r270
  text "PA9" at 3040,2228.74 h40 r270
  text "PA8" at 3140,2223.74 h40 r270
  text "5V" at 445,2045 h50
  text "GND" at 3650,1513.74 h50 r90
  text "1" at 3275,1448.74 h50 r270
  text "0" at 3275,1068.74 h50 r270
  text "SCLK" at 1705,1063.74 h50
  text "P3" at 1360,1053.74 h50
  text "JLCJLCJLCJLC" at 3580,1005 h40 r90
  text "CS" at 1705,953.74 h50
  text "P2" at 1360,948.74 h50
  text "P1" at 1360,853.74 h50
  text "GND" at 1705,848.74 h50
  text "P0" at 1360,758.74 h50
  text "GND" at 1705,753.74 h50
  text "GND" at 1705,658.74 h50
  text "DI" at 1365,648.74 h50
  text "DO" at 1365,553.74 h50
  text "3V3" at 1705,548.74 h50
  text "*" at 1130,493.74 h40 r270
  text "SY" at 1355,443.74 h50
  text "VBAT" at 1740,418.74 h40 r270
  text "PC13" at 1845,418.74 h40 r270
  text "PC14" at 1945,418.74 h40 r270
  text "PC15" at 2045,418.74 h40 r270
  text "RESET" at 2145,418.74 h40 r270
  text "PA0" at 2245,418.74 h40 r270
  text "PA1" at 2345,418.74 h40 r270
  text "PA2" at 2445,418.74 h40 r270
  text "PA3" at 2545,418.74 h40 r270
  text "PA4" at 2650,418.74 h40 r270
  text "PA5" at 2745,418.74 h40 r270
  text "PA6" at 2845,418.74 h40 r270
  text "PA8" at 2940,418.74 h40 r270
  text "PB0" at 3045,418.74 h40 r270
  text "PB1" at 3145,418.74 h40 r270
  text "PB2" at 3245,418.74 h40 r270
  text "VREF+" at 3340,418.74 h40 r270
  text "PB10" at 3445,418.74 h40 r270
  text "3V3" at 3540,418.74 h40 r270
  text "GND" at 3645,418.74 h40 r270
  text "5V" at 1600,373.74 h50
  text "*" at 1660,333.74 h40 r270
Bottom Overlay:
  text "*" at 395,1503.74 h40 r270
  text "GND" at 3555,1363.74 h50
  text "SWCLK" at 3555,1258.74 h50
  text "SWDIO" at 3560,1163.74 h50
  text "3V3" at 3555,1063.74 h50
  text "Vref-" at 830,258.74 h50 r270
  text "Vref+" at 925,258.74 h50 r270
  text "BPDSW" at 1035,258.74 h50 r270
  text "AIN4" at 1140,253.74 h50 r270
  text "AIN3" at 1240,253.74 h50 r270
  text "AIN2" at 1340,253.74 h50 r270
  text "AIN1" at 1440,253.74 h50 r270
  text "AINCOM" at 1540,253.74 h50 r270
  text "GND" at 1635,253.74 h50 r270
Top Solder:
  lines w30: 35,308.74 225,118.74 580,118.74 615,153.74 615,373.74 125,373.74 35,373.74 35,308.74

## Text inside footprints (layer, text, board x,y; h text height)
EC3: Top Overlay "+" at 1048.41,1947.24 h50 r180